# Altium PCB MB1936.PcbDoc (part 2 of 13)
Units mm, origin at the board's own origin, x right, y up, seen from the top; angles counter-clockwise.
Board outline 172 x 137 mm, 6 copper layers (Top Layer, Signal Layer 1, Signal Layer 2, Signal Layer 3, Signal Layer 4, Bottom Layer), stack 1.549 mm thick; 859 components, 672 nets, 3477 pads, 2222 vias.
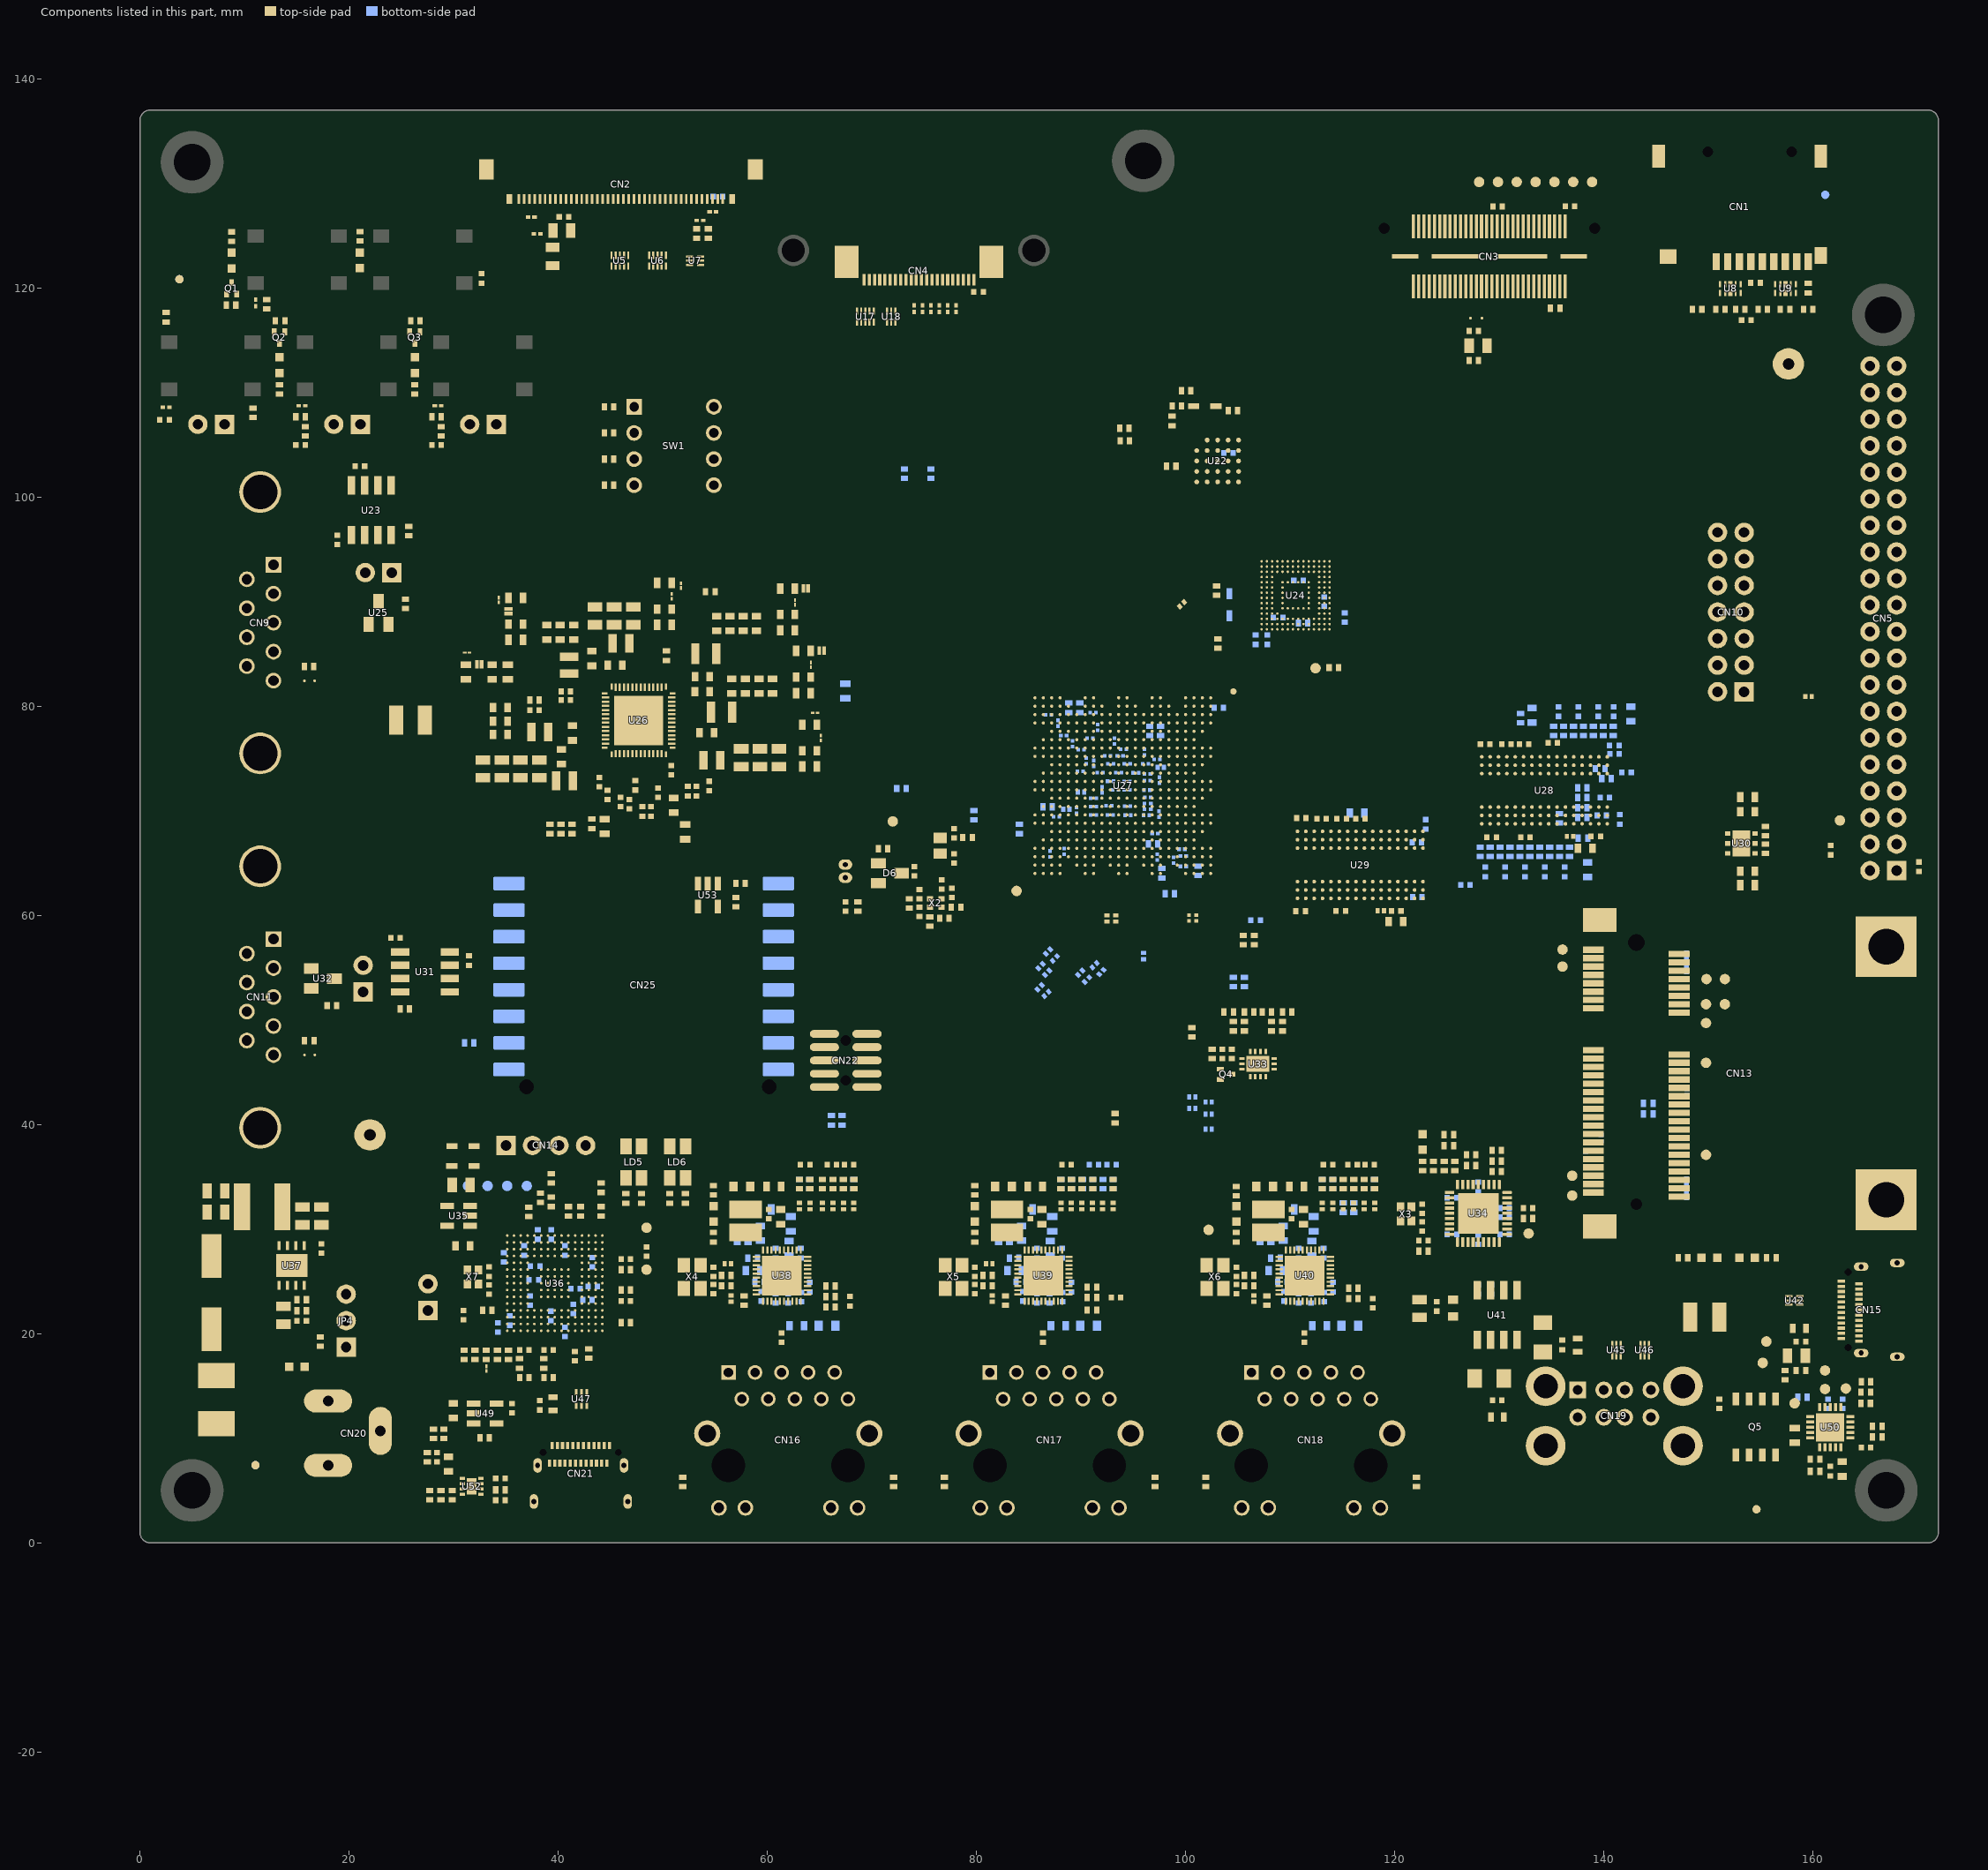
[diagram p6: the components of this part, seen from the top]

## Components (designator, comment, footprint, x,y, rotation, side; value= is the part's Value field where it differs from the comment) (continued)
C289 "Capacitor" C0402 36.75,27.95 r270 bottom value=100nF
C290 "Capacitor" C0402 40.65,27.95 r270 bottom value=100nF
C291 "" C0402 113.2,27.7 r90 bottom value=100nF
C292 "" C0402 110.8,27.7 r90 bottom value=100nF
C293 "" C0402 88.2,27.7 r90 bottom value=100nF
C294 "" C0402 85.8,27.7 r90 bottom value=100nF
C295 "" C0402 63.2,27.7 r90 bottom value=100nF
C296 "" C0402 60.8,27.7 r90 bottom value=100nF
C297 "Capacitor" C0402 34.8,27.3 r270 bottom value=100nF
C298 "Capacitor" C0402 43.25,26.825 r90 bottom value=100nF
C299 "Capacitor" C0402 37.8,26.45 r0 bottom value=100nF
C300 "" C0603 108.65,26.025 r180 bottom value=22uF
C301 "" C0603 83.65,26.025 r180 bottom value=22uF
C302 "" C0603 58.65,26.025 r180 bottom value=22uF
C303 "Capacitor" C0402 37.675,25.15 r0 bottom value=100nF
C304 "" C0402 109.25,24.95 r180 bottom value=100nF
C305 "" C0402 84.25,24.95 r180 bottom value=100nF
C306 "" C0402 59.25,24.95 r180 bottom value=100nF
C307 "" C0402 114.1,24.45 r270 bottom value=100nF
C308 "" C0402 89.075,24.45 r270 bottom value=100nF
C309 "" C0402 64.075,24.45 r270 bottom value=100nF
C310 "Capacitor" C0402 43.3,24.5 r180 bottom value=100nF
C311 "Capacitor" C0402 41.65,24.3 r180 bottom value=100nF
C312 "" C0402 109.445,23.57 r270 bottom value=100nF
C313 "" C0402 84.445,23.57 r270 bottom value=100nF
C314 "" C0402 59.445,23.57 r270 bottom value=100nF
C315 "" C0402 113.25,23.5 r270 bottom value=100nF
C316 "" C0402 88.25,23.5 r270 bottom value=100nF
C317 "" C0402 63.25,23.5 r270 bottom value=100nF
C318 "" C0402 112,23.375 r270 bottom value=100nF
C319 "" C0402 110.8,23.375 r270 bottom value=100nF
C320 "" C0402 87,23.375 r270 bottom value=100nF
C321 "" C0402 85.8,23.375 r270 bottom value=100nF
C322 "" C0402 62,23.375 r270 bottom value=100nF
C323 "" C0402 60.8,23.375 r270 bottom value=100nF
C324 "Capacitor" C0402 37.325,23.15 r270 bottom value=100nF
C325 "Capacitor" C0402 42.8,23.225 r180 bottom value=100nF
C326 "Capacitor" C0402 41.455,22.35 r90 bottom value=100nF
C327 "Capacitor" C0402 39.3,21.7 r90 bottom value=100nF
C328 "Capacitor" C0402 35.375,21.25 r90 bottom value=100nF
C329 "Capacitor" C0402 34.225,20.6 r90 bottom value=100nF
C330 "" C0603 112.825,20.75 r0 bottom value=22uF
C331 "" C0603 87.825,20.75 r0 bottom value=22uF
C332 "" C0603 62.825,20.75 r0 bottom value=22uF
C333 "Capacitor" C0402 40.65,20.175 r270 bottom value=100nF
C334 "Capacitor" C0402 162.85,13.3 r270 bottom value=100nF
C335 "Capacitor" C0402 161.45,13.3 r270 bottom value=4.7uF
C336 "Capacitor" C0402 76.675,62.95 r90 top value=10nF
CART-1 "Comment" Sheetbox_6L2S 36.315,-31.21 r0 top
CN1 "MR01A-01211" CON_MICROSD_ATOM_MR01A-01211 153,137 r180 top value=Connector_uSD-Card_MR01A-01211
CN2 "IPEX20455" CON_I-PEX_20455-040E-76 46,129 r180 top value=Socket_FFC/FPC_IPEX
CN3 "Socket QSH-030-01-F-D-A" CON_SAMTEC_QSH-030-01-F-D-A 129.05,123 r180 top locked value="Socket 30x2"
CN4 "2-1734592-2" CON_TE-CONNECTIVITY_2-1734592-2_INV 74.5,122.49 r180 top
CN5 "Header 20x2" CON_SAMTEC_TSW-120-07-G-D 166.725,88.4 r90 top
CN6 "Header 2x1" CON_SAMTEC_TSW-102-07-G-S 6.813,106.95 r180 top
CN7 "Header 2x1" CON_SAMTEC_TSW-102-07-G-S 19.813,106.95 r180 top
CN8 "Header 2x1" CON_SAMTEC_TSW-102-07-G-S 32.813,106.95 r180 top
CN9 "DB9_Header_male_2301843-2" CON_DB9-MALE_TYCO_2301843-2 4,87.98 r270 top locked value=Header_DB9_2301843-2
CN10 "Header 7x2" CON_SAMTEC_TSW-107-07-X-D 152.15,89 r90 top value="Jumper_Header 7x2"
CN11 "DB9_Header_male_2301843-2" CON_DB9-MALE_TYCO_2301843-2 4,52.185 r270 top locked value=Header_DB9_2301843-2
CN12 "" CON_MOLEX_53047-0210 67.475,64.225 r270 top value="Header 2x1"
CN13 "SOCKET_Mini_PCIE" CON_TE-CONNECTIVITY_2041119-1_HALF-CARD 143.1,57.4 r270 top value="Mini PCIE_2041119-1"
CN14 "Header 4x1" CON_SAMTEC_TSW-104-07-G-S 38.815,38 r0 top
CN15 "USB_TYPE_C_Receptacle" CON_USB-TYPEC_AMPHENOL_12401826E412A 163.36,22.275 r90 top value=USB_C_12401826E412A
CN16 "​New part for use of led pulled down on pin 13/14 , schematic more lisible." CON_RJ45_YD_48F-01GYDXNL_LED-P 62,0 r0 top value=RJ45_48F-01GYDXNL
CN17 "​New part for use of led pulled down on pin 13/14 , schematic more lisible." CON_RJ45_YD_48F-01GYDXNL_LED-P 87,0 r0 top value=RJ45_48F-01GYDXNL
CN18 "​New part for use of led pulled down on pin 13/14 , schematic more lisible." CON_RJ45_YD_48F-01GYDXNL_LED-P 112,0 r0 top value=RJ45_48F-01GYDXNL
CN19 "USB_DUAL_TYPEA_5600-3081" CON_DUAL-USB-TYPE-A_CONEXCON_5600-3081 141,-1.01 r0 top value=USB_A_5600-3081
CN20 "DC10B" CON_DC-POWER-SOCKET_CLIFF_FC68149_DC10B 18,0 r270 top value=Jack_DC-Power_DC10B
CN21 "USB_TYPE_C_Receptacle" CON_USB-TYPEC_AMPHENOL_12401826E412A 42.165,8.65 r0 top value=USB_C_12401826E412A
CN22 "Header 5x2" CON_SAMTEC_FTSH-105-01-L-DV-K 67.5,46.125 r270 top
CN25 "MIKROE-4319" SOCKET_MIKROBUS_MIKROE-4319_SMD_P254 48.175,54.15 r180 bottom
D1 "BAT60JFILM" DIO_SOD323 101.83,108.7 r180 top
D2 "SCHOTTKY_1A_2K" DIO_SOD323_1A_2K 30.9,37.925 r0 top value=BAT20JFILM
D3 "SCHOTTKY_1A_2K" DIO_SOD323_1A_2K 30.895,36.025 r0 top value=BAT20JFILM
D5 "BAT60JFILM" DIO_SOD323 104.175,89.7 r90 bottom
D6 "DIODE_3P_DUAL_COMMON_CATHODE" DIO_SOT23 71.725,64.025 r270 top value=BAT54CFILM
F1 "0ZCG0260FF2C" PTC_BEL-FUSE_1812_0ZCG0260FF2C 7.325,13.7 r90 top value="PTC FUSE 2.6A"
JP1 "Jumper_Header 2x1" CON_SAMTEC_TSW-102-07-G-S 22.819,92.771 r180 top value="Header 2x1"
JP2 "Jumper_Header 2x1" CON_SAMTEC_TSW-102-07-G-S 21.355,53.95 r90 top value="Header 2x1"
JP3 "Jumper_Header 2x1" CON_SAMTEC_TSW-102-07-G-S 27.55,23.495 r90 top value="Header 2x1"
JP4 "Jumper_Header 3x1" CON_SAMTEC_TSW-103-07-F-S 19.725,21.24 r90 top value="Header 3x1"
L1 "Inductor" IND_2016_MURATA_LQM2MPN2R2NG0 45.995,86.002 r180 top value=2.2uH
L2 "Inductor" IND_2520_TOKO_DFE252012P 54.115,85.027 r0 top value=0.68µH
L3 "Inductor" IND_2016_MURATA_LQM2MPN2R2NG0 41.05,83.902 r90 top value=0.68uH
L4 "Inductor" IND_2520_TOKO_DFE252012P 55.625,79.427 r0 top value=0.68µH
L5 "Inductor" IND_2016_MURATA_LQM2MPN2R2NG0 38.225,77.527 r180 top value=0.68uH
L6 "Inductor" IND_2016_MURATA_LQM2MPN2R2NG0 54.7,74.827 r0 top value=2.2uH
L7 "Inductor" IND_2016_MURATA_LQM2MPN2R2NG0 40.6,72.877 r180 top value=0.68uH
L8 "Inductor" IND_5040_WURTH_74404054033 11.7,32.125 r0 top value=3.3uH
L9 "" FIL_0603_H0P65 57.57,34.07 r180 top value="100R @ 100MHz"
L10 "" FIL_0603_H0P65 82.57,34.07 r180 top value="100R @ 100MHz"
L11 "" FIL_0603_H0P65 107.57,34.07 r180 top value="100R @ 100MHz"
L12 "BEAD" FIL_0603_H0P65 125.575,22.45 r270 top value="26R @ 100Mhz"
L13 "" FIL_0603_H0P65 115.72,20.75 r0 bottom value="100R @ 100MHz"
L14 "" FIL_0603_H0P65 90.72,20.75 r0 bottom value="100R @ 100MHz"
L15 "" FIL_0603_H0P65 65.72,20.75 r0 bottom value="100R @ 100MHz"
LD1 "LED_red" LED_0603_VISHAY_VLMS1300-GS08_RED_1A2K_H0P8 21.047,122.625 r270 top value=RED
LD2 "LED_green" LED_0603_OSRAM_LG-Q396-PS-35_GREEN_1A2K_H0P4 26.287,112.6 r90 top value=GREEN
LD3 "LED_orange" LED_0603_OSRAM_LO-Q976-PS-25_ORANGE_1A2K_H0P8 13.363,112.6 r90 top value=ORANGE
LD4 "" LED_0603_OSRAM_LB-Q39G-L2OO-35-1_BLUE_1A2K_H0P4 8.773,122.6 r270 top value=BLUE
LD5 "LED_BICOLOR" LED_BI-GR_WE-150141SV73110 47.225,36.4 r180 top value="Green / Red"
LD6 "LED_BICOLOR" LED_BI-GR_WE-150141SV73110 51.425,36.4 r180 top value="Green / Red"
LD7 "LED_green" LED_0603_OSRAM_LG-Q396-PS-35_GREEN_1A2K_H0P4 54.85,31.445 r90 top value=GREEN
LD8 "LED_green" LED_0603_OSRAM_LG-Q396-PS-35_GREEN_1A2K_H0P4 79.85,31.445 r90 top value=GREEN
LD9 "LED_green" LED_0603_OSRAM_LG-Q396-PS-35_GREEN_1A2K_H0P4 104.85,31.445 r90 top value=GREEN
LD10 "LED_green" LED_0603_OSRAM_LG-Q396-PS-35_GREEN_1A2K_H0P4 153.7,27.25 r180 top value=GREEN
LD11 "LED_green" LED_0603_OSRAM_LG-Q396-PS-35_GREEN_1A2K_H0P4 15.025,16.85 r180 top value=GREEN
LD12 "LED_red" LED_0603_VISHAY_VLMS1300-GS08_RED_1A2K_H0P8 122.675,38.325 r90 top value=RED
LE1 "" L1210_LQH 57.925,30.775 r90 top value=4.7uH
LE2 "" L1210_LQH 82.925,30.775 r90 top value=4.7uH
LE3 "" L1210_LQH 107.925,30.775 r90 top value=4.7uH
LED2 "" LED_0603_OSRAM_LB-Q39G-L2OO-35-1_BLUE_1A2K_H0P4 150.1,27.25 r0 top value=BLUE
LNK1 "link_200" LINK200#1 51.75,91.525 r0 top
LNK2 "link_200" LINK200#2 63.675,91.275 r90 top
LNK3 "link_200" LINK200#1 50.855,90.5 r0 top
LNK4 "link_200" LINK200#1 34.325,90.15 r180 top
LNK5 "link_200" LINK200#1 62.65,89.925 r180 top
LNK6 "link_200" LINK200#2 35.245,89.075 r180 top
LNK7 "link_200" LINK200#2 65.2,85.3 r90 top
LNK8 "link_200" LINK200#1 31.3,85.125 r90 top
LNK9 "link_200" LINK200#2 32.452,83.997 r90 top
LNK10 "link_200" LINK200#1 64.175,83.95 r180 top
LNK11 "link_200" LINK200#1 64.575,79.375 r270 top
LNK12 "link_200" LINK200#1 65.125,76.95 r0 top
LNK13 "link_200" LINK200#1 33.125,16.655 r0 top
MIRE1 "Comment" MIRE_PLACE_SMD_0P8MM 154.6,3.2 r0 top locked
MIRE2 "Comment" MIRE_PLACE_SMD_0P8MM 11.05,7.425 r0 top locked
MIRE3 "Comment" MIRE_PLACE_SMD_0P8MM 3.78,120.82 r0 top locked
MIRE4 "Comment" MIRE_PLACE_SMD_0P8MM 3.78,120.82 r180 bottom locked
MIRE5 "Comment" MIRE_PLACE_SMD_0P8MM 11.05,7.425 r180 bottom locked
MIRE6 "Comment" MIRE_PLACE_SMD_0P8MM 161.175,128.9 r180 bottom locked
Q1 "MOSFET_N-CHANNEL" MOS_SC89-3L 8.773,119.95 r0 top value=Si1062X
Q2 "MOSFET_N-CHANNEL" MOS_SC89-3L 13.363,115.25 r180 top value=Si1062X
Q3 "MOSFET_N-CHANNEL" MOS_SC89-3L 26.287,115.25 r180 top value=Si1062X
Q4 "MOSFET_N-CHANNEL" MOS_SC89-3L 103.875,44.79 r270 top value=Si1062X
Q5 "STL40DN3LLH5" PowerFLAT_5x6 154.52,11.075 r0 top
R1 "Resistor" R0402 53.25,125.195 r90 top value=10K
R2 "Resistor" R0402 54.35,125.195 r90 top value=0R
R3 "Resistor" R0402 21.047,124.925 r270 top value=360R
R4 "" R0402 8.773,124.9 r270 top value=120R
R5 "Resistor" R0805 39.475,123 r270 top value=0R
R6 "Resistor" R0402 159.55,119.975 r90 top value=0R
R7 "Resistor" R0402 12.123,118.425 r270 top value=10K
R8 "Resistor" R0402 8.723,118.35 r180 top value=100K
R9 "Resistor" R0402 135.35,118.05 r0 top value=10K
R10 "Resistor" R0402 148.925,117.95 r180 top value=47K
R11 "Resistor" R0402 151.15,117.95 r180 top value=47K
R12 "Resistor" R0402 153.05,117.95 r0 top value=47K
R13 "Resistor" R0402 155.19,117.95 r180 top value=10K
R14 "Resistor" R0402 157.325,117.95 r0 top value=47K
R15 "Resistor" R0402 159.55,117.95 r0 top value=47K
R16 "Resistor" R0402 13.413,116.85 r0 top value=100K
R17 "Resistor" R0402 26.338,116.85 r0 top value=100K
R18 "Resistor" R0402 127.573,113.05 r180 top value=0R
R19 "Resistor" R0402 13.363,110.3 r270 top value=300R
R20 "Resistor" R0402 26.287,110.3 r270 top value=270R
R21 "Resistor" R0402 100.05,110.15 r180 top value=0R
R22 "Resistor" R0402 99.159,108.7 r0 top value=0R
R23 "Resistor" R0402 104.516,108.275 r0 top value=10K
R24 "Resistor" R0402 15.363,107.675 r0 top value=100K
R25 "Resistor" R0402 28.363,107.675 r0 top value=100K
R26 "Resistor" R0402 2.5,117.187 r90 top value=100R
R27 "Resistor" R0402 98.709,107.275 r270 top value=10K
R28 "Resistor" R0402 15.813,106.275 r90 top value=330R
R29 "Resistor" R0402 28.813,106.275 r90 top value=330R
R30 "Resistor" R0402 10.813,108.062 r270 top value=1K
R31 "Resistor" R0402 94.155,106.575 r0 top value=1K5
R32 "Resistor" R0402 94.18,105.375 r0 top value=1K5
R33 "Resistor" R0402 98.634,102.95 r180 top value=10K
R34 "Resistor" R0402 25.721,96.756 r90 top value=10K
R35 "Resistor" R0603 50.155,91.777 r0 top value=0R
R36 "Resistor" R0603 61.93,91.252 r0 top value=0R
R37 "Resistor" R0402 102.975,91.05 r90 top value=10K
R38 "" R0402 54.55,90.95 r180 top value=0R
R39 "Resistor" R0603 35.945,90.352 r180 top value=0R
R40 "Resistor" R0402 25.399,89.771 r90 top value=120R
R41 "Resistor" R0603 50.155,87.777 r0 top value=330mR
R42 "Resistor" R0603 61.93,87.252 r0 top value=33mR
R43 "Resistor" R0603 35.945,86.352 r180 top value=100mR
R44 "Resistor" R0402 103.1,85.978 r270 top value=10K
R45 "Resistor" R0603 63.455,85.277 r0 top value=0R
R46 "" R0402 50.35,84.825 r270 top value=0R
R47 "Resistor" R0603 31.175,83.277 r90 top value=0R
R48 "Resistor" R0603 35.175,83.277 r90 top value=100mR
R49 "Resistor" R0402 114.175,83.685 r0 top value=10K
R50 "Resistor" R0402 16.187,83.8 r180 top value=1K
R51 "Resistor" R0603 63.455,81.227 r0 top value=33mR
R52 "Resistor" R0402 37.725,80.575 r180 top value=0R
R53 "Resistor" R0603 64.055,78.227 r0 top value=0R
R54 "Resistor" R0603 64.055,74.227 r0 top value=330mR
R55 "Resistor" R0603 153.755,71.3 r0 top value=0R
R56 "Resistor" R0603 44.45,68.502 r90 top value=0R
R57 "Resistor" R0402 43.225,68.752 r90 top value=0R
R58 "Resistor" R0603 52.15,67.975 r270 top value=0R
R59 "" R0402 39.225,68.25 r90 top value=0R
R60 "" R0402 40.275,68.25 r90 top value=0R
R61 "" R0402 41.325,68.25 r90 top value=0R
R62 "Resistor" R0402 155.455,68.05 r270 top value=82K
R63 "Resistor" R0201_H0P23 136.775,67.55 r180 top value=240R
R64 "" R0402 79.15,67.45 r180 top value=0R
R65 "Resistor" R0402 155.455,66.375 r270 top value=19K6
R66 "Resistor" R0402 68.675,60.845 r270 top value=20R
R67 "Resistor" R0402 71.075,66.375 r0 top value=0R
R68 "Resistor" R0402 44.875,108.625 r180 top value=1K
R69 "Resistor" R0603 153.75,62.875 r180 top value=0R
R70 "Resistor" R0402 73.575,61.125 r90 top value=10R
R71 "Resistor" R0402 44.875,106.125 r180 top value=1K
R72 "" R0402 78.05,60.775 r180 top value=1K
R73 "Resistor" R0201_H0P23 118.675,60.422 r180 top value=240R
R74 "Resistor" R0402 75.55,59.4 r270 top value=10K
R75 "" R0402 76.925,59.725 r0 top value=0R
R76 "Resistor" R0402 44.875,103.625 r180 top value=1K
R77 "Resistor" R0402 105.525,57.625 r270 top value=0R
R78 "Resistor" R0402 106.575,57.625 r270 top value=0R
R79 "Resistor" R0402 44.875,101.125 r180 top value=1K
R80 "Resistor" R0402 18.355,51.37 r0 top value=120R
R81 "Resistor" R0402 25.34,51.048 r0 top value=10K
R82 "Resistor" R0402 104.125,50.765 r180 top value=49R9
R83 "Resistor" R0402 106.075,50.765 r0 top value=49R9
R84 "Resistor" R0402 107.775,50.765 r0 top value=49R9
R85 "Resistor" R0402 109.725,50.765 r180 top value=49R9
R86 "Resistor" R0402 16.2,48.025 r180 top value=1K
R87 "Resistor" R0402 104.575,49.39 r90 top value=0R
R88 "Resistor" R0402 105.625,49.39 r90 top value=0R
R89 "Resistor" R0402 108.225,49.39 r90 top value=0R
R90 "Resistor" R0402 109.275,49.39 r90 top value=0R
R91 "Resistor" R0402 100.6,48.825 r90 top value=10K
R92 "Resistor" R0402 102.55,46.74 r270 top value=0R
R93 "" R0402 93.25,40.6 r270 top value=0R
R94 "Resistor" R0201_H0P23 159.575,80.925 r0 top value=22R
R95 "Resistor" R0402 125.175,39.025 r0 top value=100K
R96 "Resistor" R0402 72.825,72.125 r180 bottom value=10K
R97 "Resistor" R0402 125.175,37.975 r180 top value=100K
R98 "Resistor" R0402 129.75,37.525 r180 top value=100K
R99 "Resistor" R0402 127.3,37.105 r0 top value=100K
R100 "Resistor" R0402 129.75,36.5 r0 top value=100K
R101 "Resistor" R0402 122.675,36.025 r270 top value=1K
R102 "Resistor" R0402 123.7,36.025 r270 top value=100K
R103 "Resistor" R0402 124.725,36.025 r90 top value=10K
R104 "Resistor" R0402 125.75,36.025 r270 top value=10K
R105 "Resistor" R0402 127.3,36.08 r180 top value=100K
R106 "Resistor" R0402 129.75,35.5 r0 top value=10K
R107 "Resistor" R0402 39.35,34.85 r90 top value=10K
R108 "" R0402 91.125,34.3 r90 top value=4K7
R109 "" R0402 63.075,34.3 r90 top value=4K7
R110 "" R0402 64.075,34.3 r90 top value=4K7
R111 "" R0402 65.275,34.3 r90 top value=4K7
R112 "" R0402 66.275,34.3 r90 top value=4K7
R113 "" R0402 67.275,34.3 r270 top value=4K7
R114 "" R0402 68.275,34.3 r90 top value=4K7
R115 "" R0402 88.075,34.3 r90 top value=4K7
R116 "" R0402 89.075,34.3 r90 top value=4K7
R117 "" R0402 90.075,34.3 r90 top value=4K7
R118 "" R0402 93.075,34.3 r90 top value=4K7
R119 "" R0402 113.075,34.3 r90 top value=4K7
R120 "" R0402 114.075,34.3 r90 top value=4K7
R121 "" R0402 115.075,34.3 r90 top value=4K7
R122 "" R0402 116.075,34.3 r90 top value=4K7
R123 "" R0402 117.075,34.3 r270 top value=4K7
R124 "" R0402 118.075,34.3 r90 top value=4K7
R125 "Resistor" R0402 44.1,33.95 r90 top value=10K
R126 "Resistor" R0402 54.85,33.72 r90 top value=270R
R127 "Resistor" R0402 79.85,33.72 r90 top value=270R
R128 "Resistor" R0402 104.85,33.62 r90 top value=270R
R129 "Resistor" R0402 38.3,33 r90 top value=0R
R130 "Resistor" R0402 46.475,32.925 r90 top value=330R
R131 "Resistor" R0402 47.975,32.925 r270 top value=1K
R132 "Resistor" R0402 50.675,32.925 r270 top value=330R
R133 "Resistor" R0402 52.175,32.925 r270 top value=1K
R134 "Resistor" R0402 39.35,32.6 r90 top value=33R
R135 "Resistor" R0201_H0P23 63.075,32.2 r270 top value=22R
R136 "Resistor" R0201_H0P23 64.075,32.2 r270 top value=22R
R137 "Resistor" R0201_H0P23 65.275,32.2 r270 top value=22R
R138 "Resistor" R0201_H0P23 66.275,32.2 r270 top value=22R
R139 "Resistor" R0201_H0P23 67.275,32.2 r270 top value=22R
R140 "Resistor" R0201_H0P23 68.275,32.2 r270 top value=22R
R141 "Resistor" R0201_H0P23 88.075,32.2 r270 top value=22R
R142 "Resistor" R0201_H0P23 89.075,32.2 r270 top value=22R
R143 "Resistor" R0201_H0P23 90.075,32.2 r270 top value=22R
R144 "Resistor" R0201_H0P23 91.075,32.2 r270 top value=22R
R145 "Resistor" R0201_H0P23 92.075,32.2 r270 top value=22R
R146 "Resistor" R0201_H0P23 93.075,32.2 r270 top value=22R
R147 "Resistor" R0201_H0P23 113.075,32.2 r270 top value=22R
R148 "Resistor" R0201_H0P23 114.075,32.2 r270 top value=22R
R149 "Resistor" R0201_H0P23 115.075,32.2 r270 top value=22R
R150 "Resistor" R0201_H0P23 116.075,32.2 r270 top value=22R
R151 "Resistor" R0201_H0P23 117.075,32.2 r270 top value=22R
R152 "Resistor" R0201_H0P23 118.075,32.2 r270 top value=22R
R153 "Resistor" R0402 40.975,31.7 r90 top value=33R
R154 "Resistor" R0402 42.15,31.7 r90 top value=0R
R155 "Resistor" R0402 44.1,31.7 r270 top value=0R
R156 "Resistor" R0402 37.2,31.65 r90 top value=10K
R157 "Resistor" R0402 132.761,31 r0 top value=10K
R158 "" R0402 54.85,29.22 r90 top value=4K7
R159 "" R0402 79.85,29.22 r90 top value=4K7
R160 "" R0402 104.85,29.22 r90 top value=4K7
R161 "Resistor" R0201_H0P23 86.7,52.475 r225 bottom value=22R
R162 "Resistor" R0201_H0P23 92.475,59.7 r270 top value=22R
R163 "Resistor" R0201_H0P23 95.975,56.1 r270 bottom value=22R
R164 "Resistor" R0201_H0P23 86.05,53.125 r225 bottom value=22R
R165 "Resistor" R0201_H0P23 93.325,59.7 r270 top value=22R
R166 "Resistor" R0201_H0P23 102.2,39.55 r0 bottom value=22R
R167 "Resistor" R0201_H0P23 87.5,55.875 r225 bottom value=22R
R168 "Resistor" R0201_H0P23 89.925,54.5 r225 bottom value=22R
R169 "Resistor" R0201_H0P23 102.2,40.975 r0 bottom value=22R
R170 "Resistor" R0402 122.75,27.875 r0 top value=12K
R171 "" R0402 147.575,27.25 r180 top value=120R
R172 "Resistor" R0402 156.025,27.25 r180 top value=270R
R173 "Resistor" R0201_H0P23 86.775,54.5 r225 bottom value=22R
R174 "Resistor" R0201_H0P23 91.3,55.225 r225 bottom value=22R
R175 "Resistor" R0201_H0P23 100.65,41.55 r0 bottom value=22R
R176 "Resistor" R0201_H0P23 56.225,26.7 r0 top value=22R
R177 "Resistor" R0201_H0P23 81.225,26.7 r0 top value=22R
R178 "Resistor" R0201_H0P23 86.85,56.525 r225 bottom value=22R
R179 "Resistor" R0201_H0P23 90.575,53.85 r225 bottom value=22R
R180 "Resistor" R0201_H0P23 102.2,42.15 r0 bottom value=22R
R181 "Resistor" R0402 46.475,26.125 r0 top value=100R
R182 "" R0402 56.075,25.575 r0 top value=0R
R183 "" R0402 81.075,25.575 r0 top value=0R
R184 "" R0402 106.075,25.575 r0 top value=0R
R185 "Resistor" R0201_H0P23 86.125,55.15 r225 bottom value=22R
R186 "Resistor" R0201_H0P23 91.95,54.575 r225 bottom value=22R
R187 "Resistor" R0201_H0P23 100.65,42.625 r0 bottom value=22R
R188 "" R0402 56.075,24.575 r0 top value=0R
R189 "" R0402 81.075,24.575 r0 top value=0R
R190 "" R0402 106.075,24.575 r0 top value=0R
R191 "" R0402 66.045,24.55 r0 top value=1K5
R192 "" R0402 91.045,24.45 r0 top value=1K5
R193 "" R0402 116.045,24.35 r0 top value=1K5
R194 "Resistor" R0402 46.475,24.175 r0 top value=3K
R195 "" R0402 66.045,23.55 r0 top value=1K5
R196 "Resistor" R0201_H0P23 56.525,23.35 r90 top value=22R
R197 "Resistor" R0201_H0P23 81.525,23.35 r90 top value=22R
R198 "Resistor" R0201_H0P23 106.525,23.35 r90 top value=22R
R199 "" R0402 57.775,23.15 r270 top value=2K49